# Altium PCB precursor_pvt2b.PcbDoc (part 6 of 7) (continued)
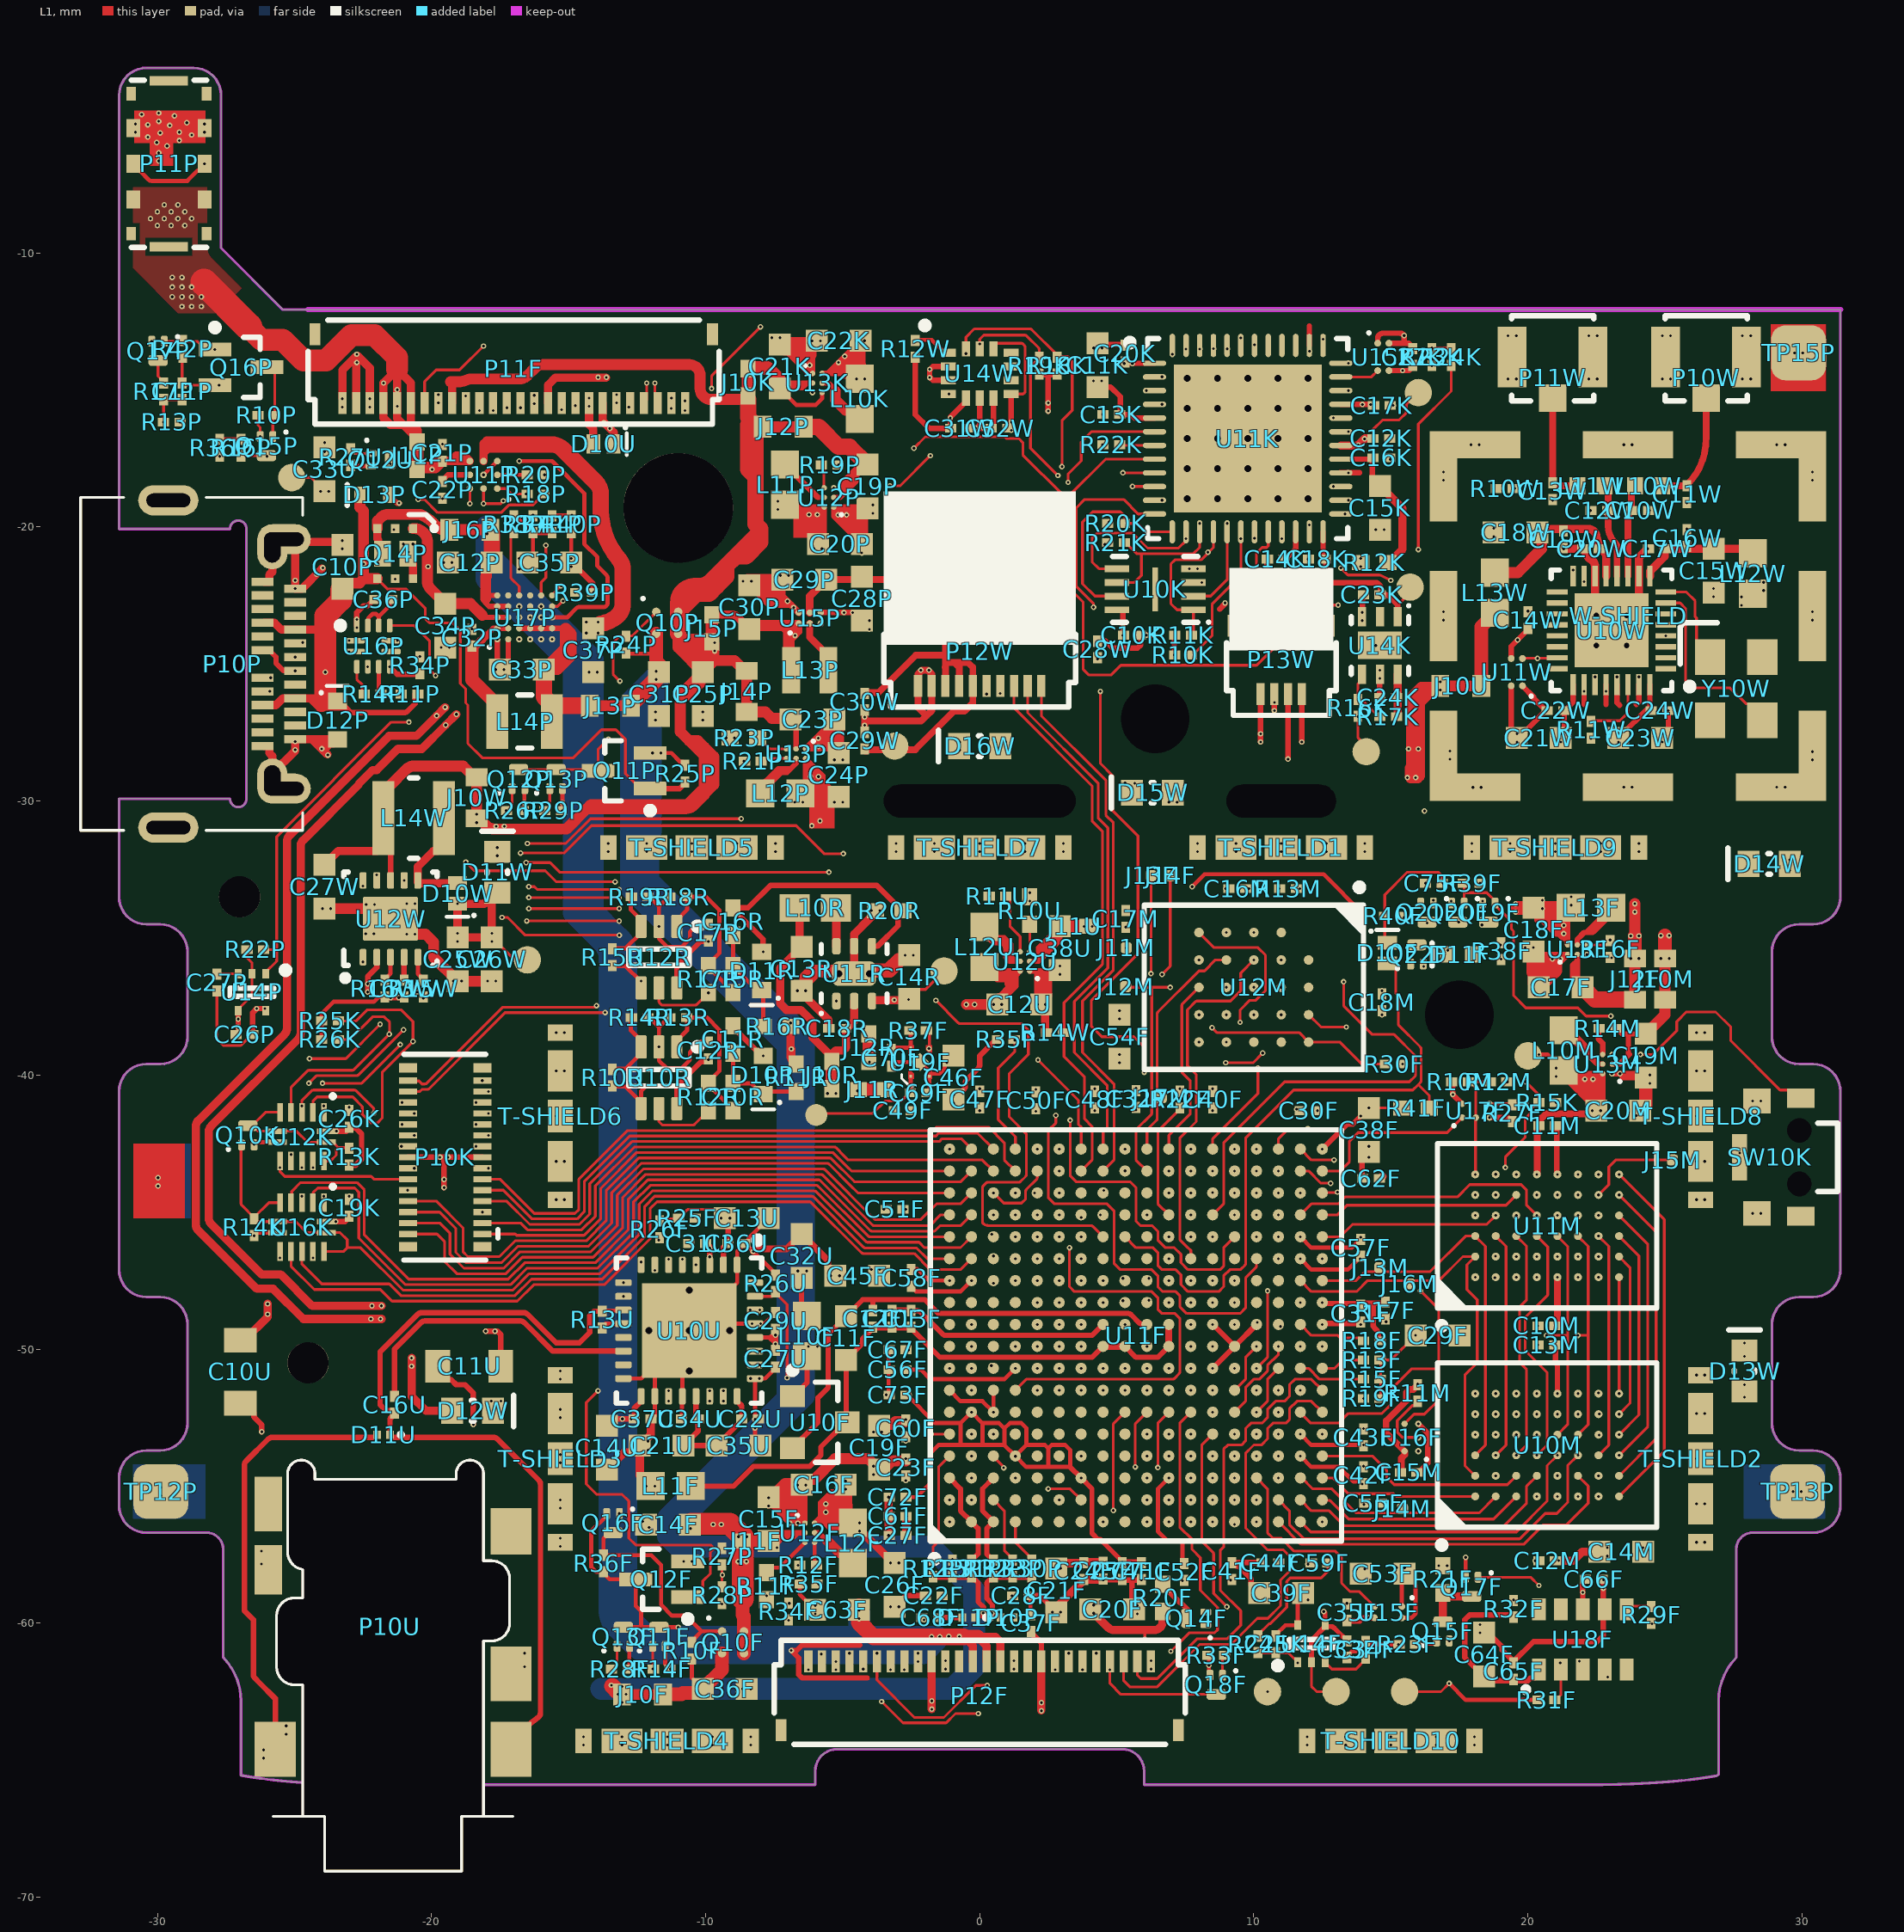
[diagram p0: L1 view]
## Nets (pads, with @x,y where several pads share a name; then routed paths per layer and width w, separated by ;. In a path a pad name is that pad's centre, name@x,y a point inside that pad or via, vN(x,y) a via of type N, cw(c..) or ccw(c..) an arc to the next point about the centre after c; other vN are vias at no path point) (continued)
  L2 w0.1: v1(-20.675,-38.775) -18.125,-38.775 -16.526,-37.176 v1(-16.526,-34.377) ; v1(-13.151,-34.38) -12.368,-34.38 -11.988,-34 -8.216,-34 ccw(c-8.216,-33.9) -8.145,-33.97 -4.6,-30.425 -4.6,-29.075 -1.2,-25.675 -1.2,-20.455 -2.55,-19.105 -2.55,-18.441 cw(c-2.45,-18.441) -2.521,-18.371 -2.075,-17.925 1.451,-17.925 3.876,-15.5 5.454,-15.5 5.479,-15.525 v1(6.65,-15.525)
UP5K_KEYROW1: R26K.1 U11K.2 U12K.4 | length 54.5
  L1 w0.1: U12K.4@-25.125,-41.36 -25.125,-40.491 cw(c-25.025,-40.491) -25.096,-40.421 -24.529,-39.854 cw(c-24.459,-39.925) -24.46,-39.825 ; -24.459,-39.825 -22.898,-39.825 ccw(c-22.898,-39.725) -22.827,-39.795 v1(-21.542,-38.511) -21.525,-38.494 -21.525,-38.075 -21.725,-37.875 -22.15,-37.875 -22.975,-38.7 R26K.1@-23.395,-38.7 ; v1(-16.45,-33.125) -16.25,-33.125 -16.15,-33.225 v1@-13.151,-33.225 ; v1(-3.275,-18.5) -2.9,-18.5 v1(-1.8,-17.4)
  L2 w0.1: v1(-21.542,-38.511) -20.931,-37.9 -19.225,-37.9 -18.325,-37 -18.325,-36.4 -17.179,-35.254 -17.179,-33.854 v1(-16.45,-33.125) ; v1@-13.151,-33.225 -9.4,-33.225 -8.125,-31.95 -8.125,-30.9 -6.45,-29.225 -6.45,-28.788 -6.3,-28.638 -6.3,-27.675 -6.05,-27.425 -5.45,-27.425 -5.375,-27.5 -3.958,-27.5 -2.4,-25.942 -2.4,-20.158 -3.275,-19.283 v1(-3.275,-18.5) ; v1(-1.8,-17.4) 1.411,-17.4 3.711,-15.1 5.275,-15.1 5.85,-14.525 v1(6.65,-14.525)
  other v1: -13.151,-33.23
UP5K_PLL: C15K.1 C16K.1 R12K.1 U11K.29 | length 5.7
  L1 w0.2: U11K.29@13.176,-17.527 14.273,-17.527 14.322,-17.479 14.322,-18.222 C15K.1@14.6,-18.5
  L1 w0.3: C15K.1@14.6,-18.5 15.425,-19.325 15.425,-20.815 14.94,-21.3 R12K.1@14.9,-21.3
UP5K_RES_CT: C27P.1 U14P.3 | length 0.8
  L1 w0.1: C27P.1@-27.825,-36.32 -27.805,-36.3 U14P.3@-27.05,-36.3
UP5K_SCK: P12F.8 R21K.2 U10K.6 U11K.15 | length 89.6
  L1 w0.1: U10K.6@5.005,-22.025 5.65,-22.025 5.899,-21.776 5.899,-20.975 ; R21K.2@5.3,-20.575 5.325,-20.575 5.725,-20.975 5.899,-20.975 ; U11K.15@8.026,-20.177 8.026,-20.749 7.8,-20.975 5.899,-20.975
  L2 w0.1: v1(2.75,-61.7) 4.1,-63.05 9.276,-63.05 9.901,-63.675 23.756,-63.675 25.925,-61.506 25.925,-58.75 26.825,-57.85 26.825,-50.65 26.25,-50.075 26.25,-45.725 26.75,-45.225 26.75,-29.581 25.369,-28.2 19.429,-28.2 19.204,-27.976 cw(c19.275,-27.905) 19.175,-27.905 19.175,-25.58 ccw(c19.075,-25.58) 19.146,-25.509 17.486,-23.85 16.811,-23.85 15.25,-22.289 15.25,-21.375 14.1,-20.225 13.25,-20.225 12.7,-19.675 12.7,-19.136 12.141,-18.577 8.348,-18.577 8.025,-18.9 v1(8.025,-19.875)
USB_DFP_N: R14P.1 U16P.3 | length 1.1
  L1 w0.1: U16P.3@-22.725,-25.1 -22.725,-25.561 -22.53,-25.756 R14P.1@-22.53,-26.1
USB_N: R31P.2 U11F.A3 U11F.B1 | length 3.5
  L1 w0.187: U11F.A3@-1.1,-54.7 -0.7,-55.1 -0.7,-55.9 U11F.B1@-0.3,-56.3 -0.057,-56.543 -0.057,-56.83 -0.057,-57.474 -0.167,-57.583 -0.233,-57.583 -0.3,-57.65 R31P.2@-0.3,-57.675
USB_P: R32P.2 U11F.C1 U11F.C3 | length 3.5
  L1 w0.187: R32P.2@0.5,-57.675 0.5,-57.65 0.433,-57.583 0.367,-57.583 0.257,-57.474 0.257,-56.961 0.257,-56.543 U11F.C1@0.5,-56.3 0.102,-55.901 0.102,-55.099 U11F.C3@0.5,-54.7
USBC_CC1: P10P.A5 U16P.1 | length 1.7
  L2 w0.1: v1(-24.698,-24.216) -23.659,-24.216 -23.593,-24.15 v1(-23,-24.15)
USBC_CC2: P10P.B5 U16P.2 | length 5.1
  L2 w0.1: v1(-25.9,-26) -26.121,-25.779 cw(c-26.05,-25.709) -26.15,-25.709 -26.15,-24.396 -25.954,-24.2 -25.35,-24.2 -25.075,-24.475 -24.091,-24.475 -24.016,-24.55 v1(-23,-24.55)
USBC_N: D11P.2 P10P.A7 P10P.B7 R12P.1 R15P.1 R31P.1 | length 74
  L1 w0.187: P10P.B7@-26.157,-24.5 -25.92,-24.5 -25.675,-24.745 -25.675,-24.975 -25.4,-25.25 v1(-24.97,-25.25) ; R12P.1@-1.7,-58.325 R31P.1@-0.3,-58.325 ; R31P.1@-0.233,-58.417 -0.167,-58.417 -0.057,-58.526 -0.057,-59.221 0.143,-59.421 v1@0.143,-59.628 ; D11P.2@-0.165,-59.8 -0.165,-59.79 -0.118,-59.744 0.033,-59.744 v1@0.137,-59.64
  L2 w0.102: v1(-24.97,-25.25) -24.97,-25.244 -25.098,-25.116 -25.184,-25.116 -25.291,-25.116 -25.4,-25.225 -25.4,-25.75 -23.146,-28.004 -23.146,-32.151 cw(c-23.248,-32.151) -23.176,-32.223 -24.332,-33.38 ccw(c-24.26,-33.452) -24.362,-33.452 -24.362,-36.619 cw(c-24.464,-36.619) -24.392,-36.691 -27.013,-39.312 -27.438,-39.737 -27.438,-51.262 -26.525,-52.175 -18.117,-52.175 cw(c-18.117,-52.277) -18.045,-52.205 -17.28,-52.97 ccw(c-17.208,-52.898) -17.208,-53 -15.108,-53 -14.171,-53.937 -14.171,-62.362 ccw(c-14.068,-62.362) -14.141,-62.434 -13.215,-63.36 ccw(c-13.143,-63.288) -13.143,-63.39 -3.376,-63.39 ccw(c-3.376,-63.288) -3.303,-63.36 -2.04,-62.096 cw(c-1.967,-62.169) -1.968,-62.066 ; -1.967,-62.066 -0.909,-62.066 ccw(c-0.909,-61.964) -0.837,-62.037 0.143,-61.057 ccw(c0.071,-60.985) 0.173,-60.985 0.173,-59.881 0.173,-59.702 0.125,-59.654 v1(0.125,-59.628)
USBC_P: D10P.2 P10P.A6 P10P.B6 R30P.1 R32P.1 R33P.1 | length 73.8
  L1 w0.187: R32P.1@0.433,-58.417 0.367,-58.417 0.257,-58.526 0.257,-59.091 0.457,-59.291 v1@0.457,-59.628 ; v1@0.457,-59.634 0.567,-59.744 0.718,-59.744 0.765,-59.79 D10P.2@0.765,-59.8 ; R32P.1@0.5,-58.325 1.2,-58.325 R30P.1@1.9,-58.325
  L2 w0.102: v1(-25.865,-25.503) -25.85,-25.488 -25.629,-25.488 ; v1(-24.97,-24.75) -24.97,-24.757 -25.1,-24.886 -25.386,-24.886 -25.629,-25.13 -25.629,-25.488 ; -1.873,-62.296 ccw(c-1.872,-62.398) -1.945,-62.326 -3.208,-63.589 cw(c-3.281,-63.517) -3.281,-63.619 -13.238,-63.619 cw(c-13.238,-63.517) -13.31,-63.589 -14.37,-62.529 cw(c-14.298,-62.457) -14.4,-62.457 -14.4,-54.032 -15.203,-53.229 -17.303,-53.229 cw(c-17.303,-53.127) -17.375,-53.199 -18.14,-52.435 ccw(c-18.212,-52.507) -18.212,-52.404 -26.62,-52.404 -27.667,-51.357 -27.667,-39.642 -27.256,-39.231 -24.621,-36.596 ccw(c-24.694,-36.524) -24.591,-36.524 -24.591,-33.357 cw(c-24.489,-33.357) -24.562,-33.285 -23.405,-32.128 ccw(c-23.477,-32.056) -23.375,-32.056 -23.375,-28.099 -25.629,-25.845 -25.629,-25.488 ; -1.872,-62.296 -0.814,-62.296 ccw(c-0.814,-62.193) -0.742,-62.266 0.305,-61.219 0.372,-61.152 ccw(c0.3,-61.08) 0.402,-61.08 0.402,-59.976 0.402,-59.702 0.45,-59.654 v1(0.45,-59.628)
USBDN_PD: R12P.2 U11F.A4 | length 4
  L1 w0.102: R12P.2@-1.7,-57.675 -1.7,-57.2 -1.5,-57 -1.5,-54.3 U11F.A4@-1.1,-53.9
USBDN_PU: R15P.2 U11F.B2 | length 2.5
  L2 w0.102: v1(-1,-57.675) -1,-57 -0.575,-56.575 -0.575,-55.775 v1(-0.3,-55.5)
USBDP_PD: R33P.2 U11F.C2 | length 2.5
  L1 w0.102: U11F.C2@0.5,-55.5 0.9,-55.9 0.9,-57.35 1.2,-57.65 R33P.2@1.2,-57.675
USBDP_PU: R30P.2 U11F.D1 | length 1.6
  L1 w0.102: U11F.D1@1.3,-56.3 1.3,-57.05 1.9,-57.65 R30P.2@1.9,-57.675
V_AES: C69F.2 pad.TP@-5.962,-41.46 U11F.B8 U19F.1 | length 97.2
  L1 w0.1: pad.TP@-5.962,-41.36 -5.921,-41.4 -3.9,-41.4 -3.45,-40.95 -2.875,-40.95 -2.575,-40.65 C69F.2@-2.53,-40.65
  L1 w0.15: C69F.2@-2.53,-40.65 -2.514,-40.634 U19F.1@-2.514,-40.045
  L1 w0.2: -4.375,-60.8 -6.483,-60.8 -6.683,-61 v2(-6.875,-61) -6.6,-61.275 -6.6,-61.883 -6.483,-62 -4.1,-62
  L2 w0.1: v2(-6.875,-61) -6.6,-61.275 -6.3,-61.275 -5.625,-61.95 -4.925,-61.95 -4.7,-61.725 -4.7,-61.425
  L2 w0.15: v1(-2.527,-40.602) v1@-2.518,-40.593 ; v2@-2.518,-40.218 v2(-2.475,-40.175)
  L2 w0.2: v1@-2.518,-40.593 v2@-2.518,-40.218 ; v2(-0.7,-51.1) v1(-0.3,-50.7)
  L7 w0.1: -2.6,-40.75 -2.975,-40.375 -2.975,-40.275 -3.175,-40.075 -3.525,-40.075 -3.846,-39.754 cw(c-3.775,-39.684) -3.875,-39.684 -3.875,-39.141 cw(c-3.775,-39.141) -3.846,-39.071 -3.479,-38.704 cw(c-3.409,-38.775) -3.409,-38.675 -0.816,-38.675 cw(c-0.816,-38.775) -0.746,-38.704 1.525,-40.975 ; v2(-2.475,-40.175) -2.85,-39.8 -3.25,-39.8 -3.5,-39.55 -3.5,-39.175 -3.275,-38.95 -0.991,-38.95 cw(c-0.991,-39.05) -0.92,-38.98 0.176,-40.076 0.45,-40.35 ; 6.975,-43.325 11.675,-48.025 ; 9.15,-45.95 10.15,-46.95 10.15,-47.175 11.075,-48.1
  L7 w0.2: v2(-6.875,-61) -5.975,-61 -5.75,-61.225 -5.75,-61.875 -5.475,-62.15 -4.75,-62.15 -4.275,-61.675 -4.275,-61.1 -5.025,-60.35 -5.025,-58.9 -6.225,-57.7 -6.225,-55.625 -5.85,-55.25 -5.85,-53.125 -3.7,-50.975 -2.45,-50.975 -1.75,-51.675 -1.275,-51.675 v2(-0.7,-51.1) -1.15,-50.65 -1.15,-48.4 -0.2,-47.45 -0.2,-46.725 -1.275,-45.65 -1.275,-43.7 -1.95,-43.025 -1.95,-41.1 -2.3,-40.75 -2.6,-40.75 ; 0.45,-40.35 0.45,-43.025 2.525,-45.1 4.5,-45.1 5.95,-46.55 6.375,-46.55 6.975,-45.95 9.15,-45.95 ; 1.525,-40.975 1.525,-41.85 1.925,-42.25 6.225,-42.25 6.975,-43 6.975,-43.325 ; 11.075,-48.1 11.075,-49.275 10.9,-49.45 10.9,-50.219 10.767,-50.351 10.767,-50.517 10.975,-50.725 11.192,-50.725 11.675,-50.242 11.675,-48.025
  other v1: -6.875,-61
VAVA: C14R.1 pad.TP@-1.3,-36.2 R11R.2 R16R.2 U11R.3 | length 11.3
  L1 w0.1: C14R.1@-2.575,-37.225 -2.225,-36.875 -1.975,-36.875 pad.TP@-1.3,-36.2
  L1 w0.3: v1(-6.9,-38.1) -6.9,-39.36 -6.875,-39.385 v1(-6.875,-39.05) -6.875,-39.425 R11R.2@-6.7,-39.6 ; U11R.3@-3.93,-37.3 -3.93,-37.263 v1(-3.116,-37.263) -2.613,-37.263 v1(-2.594,-37.244) C14R.1@-2.575,-37.225
  L2 w0.3: v1(-6.9,-38.1) -6.9,-38.25 -6.375,-38.775 ; v1(-6.875,-39.05) -6.65,-39.05 -6.375,-38.775 ; v1(-2.594,-37.244) -3.869,-37.244 -5.4,-38.775 -6.375,-38.775
VAVA_FBK: C11R.1 C16R.1 D10R.1 D11R.1 R20R.2 U11R.4 | length 16.3
  L1 w0.2: C11R.1@-9,-38.2 -8.825,-38.375 -8.825,-38.425 -7.95,-39.3 v1(-7.9,-39.3) ; v1(-7.9,-35.5) -7.9,-35.04 -9,-33.94 C16R.1@-9,-33.9 -8.45,-33.9 -7.625,-33.075 -3.765,-33.075 -2.84,-34 R20R.2@-2.8,-34 -2.975,-34.175 -2.975,-34.55 -3.725,-35.3 U11R.4@-3.93,-35.3
  L2 w0.2: v1(-7.9,-39.3) v1(-7.9,-35.5)
VAVA_SW: L10R.2 U11R.6 | length 1.4
  L1 w0.3: L10R.2@-5.25,-33.9 -5.23,-33.92 U11R.6@-5.23,-35.3
VBAT: C37P.1 C66F.1 C70F.2 R37F.2 U11P.C2 U17P.C1 U17P.D1 U17P.E1 U17P.F1 U18F.8 U19F.4 | length 115.2
  L1 w0.15: C70F.2@-3.225,-39.145 -3.225,-39.1 -3.14,-39.015 -3.095,-39.015 -3.085,-39.005 U19F.4@-2.514,-39.005 -2.514,-38.416 R37F.2@-2.555,-38.375
  L1 w0.2: U18F.8@22,-59.5 v1(22,-58.877) 21.998,-58.875 v1(21.998,-58.448) 21.998,-58.458 22,-58.46 22.06,-58.4 C66F.1@22.075,-58.4
  L1 w0.3: U11P.C2@-18.1,-17.6 cw(c-17.803,-17.558) -18.103,-17.558 -18.103,-17.315 ; -17.989,-16.845 -18.103,-16.959 -18.103,-17.315 ; -17.903,-16.991 -18.015,-17.103 ccw(c-17.803,-17.315) -18.103,-17.315 ; -17.5,-16.991 -17.779,-16.991 -18.103,-17.315
  L1 w0.6: -17.903,-16.991 -17.779,-16.991 -15.633,-16.991 cw(c-15.633,-17.591) -15.208,-17.167 -14.001,-18.374 cw(c-14.425,-18.799) -13.825,-18.799 -13.825,-19.389 -13.825,-19.391 ccw(c-11.094,-19.391) -13.169,-21.167 cw(c-13.625,-21.557) -13.025,-21.559 -13.025,-22.81 cw(c-13.625,-22.812) -13.241,-23.273 cw(c-13.979,-22.388) C37P.1@-13.828,-23.53 ; C37P.1@-14.1,-23.7 C37P.1@-14.049,-23.7
  L2 w0.2: v2(-4.625,-31.4) -4.9,-31.4 -5.475,-31.975 -5.475,-32.075 -5.925,-32.525 -5.925,-33.3 -2.825,-36.4 -1.75,-36.4 -1.075,-37.075 -1.075,-37.475 -1.525,-37.925 -2.064,-37.925 v1(-2.535,-38.395)
  L2 w0.3: v2(12.375,-24.3) 12.925,-24.85 15.125,-24.85 17.7,-27.425 17.7,-28.775 17.575,-28.9 17.575,-29.8 18.2,-30.425 22.775,-30.425 23.35,-31 23.35,-32.375 24.46,-33.485 24.46,-39.266 cw(c24.16,-39.266) 24.372,-39.478 23.925,-39.925 23.925,-40.45 24.625,-41.15 24.625,-54.775 cw(c24.325,-54.775) 24.537,-54.988 21.998,-57.527 v1(21.998,-58.448) 21.998,-58.875 v1(22,-58.877)
  L2 w0.5: v1(-16.8,-24.1) v1(-16.4,-24.1) v1(-16,-24.1) v1(-15.6,-24.1) -14.875,-24.1 -14.45,-23.675 v2@-13.95,-23.675
  L7 w0.2: v2(-4.625,-31.4) -4.625,-29.5 -3.625,-28.5 -0.2,-28.5 0.05,-28.25 0.05,-26 -2.063,-23.887
  L7 w0.3: v2(-14.15,-23.65) -12.524,-23.65 cw(c-12.524,-23.95) -12.311,-23.739 -10.863,-25.187 ccw(c-10.651,-24.975) -10.651,-25.275 -3.574,-25.275 ccw(c-3.574,-24.975) -3.362,-25.187 -2.063,-23.887 -1.438,-23.263 cw(c-1.226,-23.475) -1.226,-23.175 8.575,-23.175 9.7,-24.3 v2(12.375,-24.3)
  other v1: -14.35,-23.875 -13.925,-23.875 -14.35,-23.475 -13.925,-23.475
VBL: C25W.1 C26W.1 D10W.2 D11W.1 P13W.1 P13W.2 pad.TP@-16.5,-35.8 U12W.7 | length 45.9
  L1 w0.1: v2(-17.8,-34.975) -17.07,-35.705 -16.595,-35.705 pad.TP@-16.5,-35.8
  L1 w0.2: v1(10.25,-27.85) v1(10.25,-27.55) P13W.1@10.25,-26.1 ; v1(10.75,-26.702) P13W.2@10.75,-26.425
  L1 w0.3: v2(-19.05,-34.975) v2(-17.8,-34.975) v1(-17.8,-34.825) -17.8,-33.55 D11W.1@-17.6,-33.35 -17.675,-33.35 -18.075,-33.75 v1(-19.05,-33.75) v1(-19.05,-34.825) v2(-19.05,-34.975)
  L2 w0.15: v1(-20.996,-32.9) -19.9,-32.9 v1(-19.05,-33.75)
  L7 w0.3: v2(-19.05,-34.975) -16.174,-34.975 ccw(c-16.174,-34.675) -15.962,-34.887 -13.563,-32.488 cw(c-13.351,-32.7) -13.351,-32.4 -4.85,-32.4 -3.575,-31.125 3.75,-31.125 4.475,-30.4 4.475,-29.625 5.15,-28.95 7.8,-28.95 9.05,-27.7 v2(10.25,-27.7) 10.25,-27.053 v2@10.755,-26.549
  other v1: -19.05,-35.125 -17.8,-35.125 10.75,-26.402
  other v2: 10.75,-26.552
VBUS: C10P.1 D12P.2 D13P.2 P10P.A4 P10P.A9 P10P.B4 P10P.B9 Q11P.1 Q12F.1 Q14P.4 Q15P.2 R10P.2 R11P.1 R25P.1 R27P.2 | length 95.3
  L1 w0.1: R10P.2@-26.33,-15.925 -26.33,-16.287 -26.25,-16.367 v1(-26.25,-16.7) ; Q14P.4@-21.975,-21.888 -21.975,-21.9 -21.6,-22.275 -20.925,-22.275 -20.225,-22.975 -20.225,-23.35 -20.075,-23.5 -19.225,-23.5 -18.95,-23.775 -18.95,-25.716 -18.752,-25.913 -18.752,-26.423 -18.675,-26.5 -18.675,-27.9 -18.15,-28.425 -14.825,-28.425 -13.8,-27.4 -13.275,-27.4 -12.925,-27.75 -12.925,-29 -12.375,-29.55 Q11P.1@-12.025,-29.55 ; v2(-13.925,-51.525) -14.35,-51.95 -14.35,-54.925 -13.975,-55.3 -13.05,-55.3 -12.8,-55.55 -12.8,-56.9 -12.55,-57.15 -9.815,-57.15 -9.695,-57.27 ; Q12F.1@-10.65,-59.05 -10.3,-59.05 -10.1,-58.85 -10.1,-58.462 -9.825,-58.187 -9.825,-57.4 -9.695,-57.27 ; R27P.2@-9.4,-57.27 -9.695,-57.27
  L1 w0.2: -23.975,-26.6 D12P.2@-23.175,-26.6 ; D12P.2@-23.425,-26.35 -23.375,-26.35 -23.021,-26.704 -23.009,-26.716 ccw(c-22.867,-26.575) -22.867,-26.775 -21.008,-26.775 ccw(c-21.008,-26.575) -20.867,-26.717 -20.6,-26.45 R11P.1@-20.6,-26.1 ; Q11P.1@-12.025,-29.55 -10.95,-29.55 -10.75,-29.35 R25P.1@-10.75,-29.325
  L1 w0.3: P10P.B4@-26.1,-26.5 -25.675,-26.5 -25.425,-26.25 P10P.A9@-24.97,-26.25 -24.422,-26.25 ; P10P.B9@-26.1,-23.5 -25.725,-23.5 -25.475,-23.75 P10P.A4@-24.97,-23.75 -23.9,-23.75 -23.875,-23.775 ; -23.975,-26.6 -24.073,-26.6 -24.422,-26.25 ; -23.875,-26.25 -24.422,-26.25
  L1 w0.4: C10P.1@-23.3,-22.3 C10P.1@-23.25,-22.25 -23.05,-22.05 -22.625,-22.05 -22.463,-21.888 ; D13P.2@-22.612,-19.011 -22.612,-19.288 -22.475,-19.425 v1(-22.475,-21.35) -22.475,-21.875 -22.463,-21.888 ; Q14P.4@-21.975,-21.888 -22.463,-21.888
  L1 w0.8: -23.875,-26.25 -23.875,-23.775 -23.875,-23.25 -23.3,-22.675 C10P.1@-23.3,-22.3
  L2 w0.1: v1(-26.25,-16.7) -26.425,-16.875 -26.425,-17.425 -26.15,-17.7 -25.725,-17.7 -23.31,-20.115 -23.01,-20.115 -22.475,-20.65 v1(-22.475,-21.35)
  L7 w0.2: v2(-23.875,-25.3) -23.875,-26.75 -23.025,-27.6 -23.025,-29.725 -25.65,-32.35 -25.65,-40.625 -22.025,-44.25 -22.025,-50.425 -19.425,-53.025 -14.725,-53.025 -13.925,-52.225 v2(-13.925,-51.525)
  other v1: -13.925,-51.525 -23.875,-25.3
VBUS_DIV: R27P.1 R28P.1 U11F.C4 | length 13.4
  L1 w0.1: R28P.1@-9.4,-58.65 R27P.1@-9.4,-57.9 ; U11F.C4@0.5,-53.9 0.5,-53.925 0.875,-54.3 v1(0.875,-54.332)
  L2 w0.1: v1(-9.39,-58.242) -9.198,-58.434 ccw(c-9.127,-58.363) -9.127,-58.463 -6.688,-58.463 -5.601,-57.376 -4.651,-57.376 -1.754,-54.479 cw(c-1.684,-54.55) -1.684,-54.45 0.709,-54.45 ccw(c0.709,-54.35) 0.779,-54.421 0.868,-54.332 v1(0.875,-54.332)
VBUS_SWITCHED: C12P.1 C63F.1 J16P.1 P12F.12 P12F.13 P12F.14 Q14P.3 Q14P.EP2 R36P.2 U17P.A4 U17P.A5 U17P.B4 | length 138.6
  L1 w0.2: U17P.A5@-17.6,-22.5 -17.908,-22.5 -18.025,-22.617 -18.025,-22.775 -17.9,-22.9 U17P.A4@-17.6,-22.9 U17P.B4@-17.2,-22.9
  L1 w0.3: Q14P.3@-21.975,-20.062 -21.975,-20.435 -21.948,-20.462 -21.948,-20.818 Q14P.EP2@-21.791,-20.975 ; -0.575,-60.5 -0.25,-60.825 P12F.14@-0.25,-61.4 ; P12F.13@0.25,-61.4 0.25,-60.825 -0.075,-60.5 0.574,-60.5 0.75,-60.676 P12F.12@0.75,-61.4
  L1 w0.4: Q14P.3@-21.975,-20.062 -21.975,-19.784 -21.847,-19.657 cw(c-21.565,-19.94) -21.565,-19.54 -20.506,-19.54 cw(c-20.506,-19.94) -20.301,-19.596 -20.147,-19.686 cw(c-20.603,-20.462) -19.966,-19.827 -19.914,-19.879 cw(c-20.267,-20.233) -19.912,-19.881 -19.81,-19.983 ccw(c-19.527,-19.7) -19.527,-20.1 J16P.1@-19.35,-20.1 ; -18.025,-22.617 -18.025,-21.825 -18,-21.8 -18,-21.5 C12P.1@-17.8,-21.3
  L1 w0.5: -0.575,-60.5 -0.075,-60.5
  L1 w0.6: J16P.1@-17.85,-20.1 -17.85,-20.175 -17.8,-20.225 C12P.1@-17.8,-21.3 ; C63F.1@-4.4,-59.4 v1(-4.4,-59.538) v1(-4.4,-59.838) -4.4,-59.975 -3.875,-60.5 v1(-1.756,-60.5) v1(-1.456,-60.5) -0.575,-60.5
  L2 w0.1: v1(-27.725,-17.425) -27.175,-17.975 -25.802,-17.975 -23.75,-20.027 -23.75,-20.75 -22.85,-21.65 -22.275,-21.65 v1(-21.95,-21.325)
  L2 w0.3: v1(-1.456,-60.5) v1@-0.8,-60.5
  L7 w0.3: v2(-4.4,-59.688) -3.587,-60.5 v3(-2.446,-60.5) ; v3@-2.4,-60.5 v2(-1.606,-60.5)
  L7 w0.6: v2@-17.975,-20.94 v2(-17.8,-21.115) -17.8,-20.275 v2(-17.975,-20.1) v1(-17.975,-20.25) v2@-17.975,-20.94
  L8 w0.8: v3@-17.997,-19.987 -17.997,-20.953 ; -14.225,-33.925 -13.134,-35.016 cw(c-13.7,-35.581) -12.9,-35.581 -12.9,-59.369 ccw(c-12.1,-59.369) -12.666,-59.934 -12.334,-60.266 ccw(c-11.769,-59.7) -11.769,-60.5 ; -14.125,-33.925 -14.125,-24.825 -17.997,-20.953 ; -11.669,-60.5 -4.396,-60.5 ; -4.4,-59.6 -4.396,-59.604 -4.396,-60.5 ; v3(-1.604,-60.647) -2.057,-61.1 -11.969,-61.1 cw(c-11.969,-60.3) -12.534,-60.866 -13.266,-60.134 cw(c-12.7,-59.569) -13.5,-59.569 -13.5,-35.731 ccw(c-14.3,-35.731) -13.734,-35.166 -14.8,-34.1 -14.8,-25.1 -17.997,-21.903 -17.997,-20.953 ; -1.55,-60.5 -4.396,-60.5
  other v1: -1.128,-60.487 -0.745,-60.49 -17.95,-21.115 -17.65,-21.115 -17.975,-19.95
  other v3: -2.093,-60.506 -3.646,-60.45 -1.604,-60.347 -3.892,-60.196 -4.577,-59.681 -4.223,-59.687 -17.95,-21.115 -17.65,-21.115 -18.117,-20.647 -17.763,-20.653 -17.975,-20.25 -17.975,-19.95
VIBE_DRIVE: D10U.1 P11F.19 Q12U.3 | length 11.1
  L1 w0.3: P11F.19@-14.25,-15.475 v1(-14.25,-15.597) -14.25,-16.265 -14.1,-16.415 D10U.1@-14.1,-16.975
  L2 w0.3: v1(-21.5,-17.7) v1(-21.5,-17.4) -21.5,-16.936 -20.764,-16.2 -18.45,-16.2 -16.025,-16.2 -15.775,-15.95 -15.775,-15.525 -15.2,-14.95 -14.624,-14.95 cw(c-14.624,-15.25) -14.412,-15.038 -14.25,-15.2 v1(-14.25,-15.297) v1(-14.25,-15.597)
VIBE_ON: Q12U.1 R27U.2 U11F.G13 | length 59.9
  L1 w0.1: R27U.2@-22.95,-17.125 R27U.2@-22.95,-17.145 -22.95,-17.15 -22.78,-17.32 Q12U.1@-22.2,-17.32
  L1 w0.2: Q12U.1@-22.2,-17.32 v2(-22.195,-17.325)
  L2 w0.1: v2(-1.8,-18.675) -0.8,-19.675 -0.8,-25.9 -4.125,-29.225 -4.125,-32.068 -3.168,-33.025 -1.75,-33.025 0.556,-35.331 0.781,-35.331 3.55,-38.1 3.55,-41.875 3.65,-41.975 3.65,-42.85 4.05,-43.25 4.05,-44.095 4.53,-44.575 4.716,-44.575 4.87,-44.729 4.87,-45.488 cw(c4.77,-45.489) 4.84,-45.56 v1(3.7,-46.7)
  L7 w0.1: v2(-22.195,-17.325) -20.025,-17.325 -19.85,-17.5 -14.075,-17.5 -12.025,-15.45 -2.85,-15.45 -1.8,-16.5 v2(-1.8,-18.675)
  other v1: -22.195,-17.325
VSYS_RAW: C19M.1 C31P.1 C33P.1 C36F.1 J10F.1 J10M.1 J13P.1 L14P.2 Q10F.4 Q10P.4 R10F.2 R14M.1 R24P.2 U13M.B1 U17P.C2 U17P.D2 U17P.E2 U17P.F2 | length 210.3
  L1 w0.15: R24P.2@-12.9,-24.625 -11.879,-24.625 -11.8,-24.546 ; R10F.2@-10.5,-61.325 -10.5,-62 C36F.1@-10.1,-62.4
  L1 w0.2: U17P.C2@-16.8,-23.7 U17P.D2@-16.4,-23.7 U17P.E2@-16,-23.7 U17P.F2@-15.6,-23.7 -15.124,-23.7 ; U13M.B1@23.075,-39.6 23.35,-39.6 23.7,-39.25 23.663,-39.212 23.663,-38.5 ; R14M.1@23.225,-38.3 23.25,-38.3 23.45,-38.5 23.663,-38.5 ; C19M.1@24.3,-38.5 23.663,-38.5
  L1 w0.4: L14P.2@-15.6,-27.1 -15.6,-26.625 L14P.2@-15.6,-26.5 ; C19M.1@24.3,-38.5 25,-37.8 J10M.1@25,-37.25 ; C33P.1@-15.9,-25.2 -15.4,-25.2 -14.9,-24.7 -14.9,-23.9 -15.1,-23.7 -15.124,-23.7 -15.124,-24.424 C33P.1@-15.9,-25.2
  L1 w0.5: Q10P.4@-11.8,-23.9 -11.8,-24.546 -11.8,-24.9 C31P.1@-11.55,-25.15 ; J10F.1@-11.55,-62.6 -10.875,-62.6 -10.825,-62.55 -10.25,-62.55 C36F.1@-10.1,-62.4 -9.4,-61.7 Q10F.4@-9.4,-61.1 ; v2(25,-35.75) v2(25,-34.911)
  L1 w0.6: C33P.1@-15.9,-25.2 -15.9,-26.2 L14P.2@-15.6,-26.5 ; L14P.2@-15.6,-26.625 -15.5,-26.525 J13P.1@-14.225,-26.525 ; v1@-13.4,-62.3 -13.2,-62.5 -13.075,-62.5 -13.05,-62.525 v2(-13.05,-62.6) ; J13P.1@-12.725,-26.525 cw(c-12.182,-26.781) -12.607,-26.357 -11.866,-25.616 ccw(c-12.29,-25.192) C31P.1@-11.7,-25.301
  L2 w0.4: v1(-13.437,-62.267) v1@-13.383,-62.267 ; v2(-13.05,-62.6) v1@-13.383,-62.267 ; v1(-12.9,-62.6) -13.233,-62.267 v1@-13.383,-62.267
  L2 w0.6: v2(-13.05,-62.6) v1(-12.9,-62.6) -12.3,-62.6 v2(-12.1,-62.8)
  L7 w0.5: v3(-6.419,-39.745) v3(-6.419,-39.445) -6.419,-39.126 cw(c-4.652,-39.126) -5.9,-37.875 -5.146,-37.121 cw(c-4.793,-37.475) -4.793,-36.975 -3.007,-36.975 ccw(c-3.007,-36.475) -2.654,-36.829 0.05,-34.125 2.175,-34.125 2.925,-33.375 7,-33.375 7.6,-33.975 12.668,-33.975 ccw(c12.668,-33.475) 13.021,-33.829 13.804,-33.046 cw(c14.157,-33.4) 14.157,-32.9 24.193,-32.9 cw(c24.193,-33.4) 24.547,-33.047 24.853,-33.353 cw(c24.5,-33.707) 25,-33.707 v2(25,-34.911) v2(25,-35.75)
  L7 w0.6: v2(-12.1,-62.8) -12.3,-62.6 v2(-13.05,-62.6) v2@-13.15,-62.5 ; -6.425,-43.9 -6.425,-45.45 ; v3@-6.425,-39.45 v3(-6.425,-40.15) v3(-6.425,-40.45) -6.425,-45.45 ; -13.6,-61.1 -13.2,-60.7 -13.2,-59.7 -11.495,-57.995 -11.495,-57.445 ; -13.6,-61.1 -13.6,-59.55 -11.495,-57.445 ; -13.6,-61.1 -13.6,-62.05 v2@-13.15,-62.5 ; v2@-13.15,-62.5 v3(-13.315,-62.5) v3(-13.749,-62.5) -14.1,-62.149 -14.1,-59.3 -12.275,-57.475 -12.15,-57.475 -12.12,-57.445 ; -12.12,-57.445 -10.725,-56.05 ; -12.12,-57.445 -11.495,-57.445 ; -11.495,-57.445 v3(-11,-56.95) ccw(c-11.325,-56.446) -10.725,-56.444 -10.725,-56.05 ; -10.725,-56.05 v3(-10.426,-55.751) -9.85,-55.175 -9.85,-48.675 -8.675,-47.5 -8.475,-47.5 -6.425,-45.45
  L7 w0.8: v2(-12.731,-26.404) -11.801,-25.474 v2(-11.801,-25.417)
  L8 w0.8: -13.8,-62.4 -1,-62.4 -0.2,-61.6 -0.2,-58.8 -1.8,-57.2 -11,-57.2 ; -11,-57.2 -11,-56.3 -9.2,-54.5 ; -11,-57.2 -11.373,-56.827 -11.373,-56.164 -9.2,-53.991 ; -9.2,-54.5 -9.2,-53.991 ; -9.2,-54.5 -7.009,-52.309 ; -9.2,-53.991 -7.009,-51.8 ; -7.009,-52.309 -7.009,-51.8 ; -7.009,-52.309 -6.422,-51.722 v3@-6.422,-39.496 ; -7.009,-51.8 -7.009,-38.909 ; -7.009,-38.909 v3@-6.422,-39.496 ; -7.009,-38.909 -12.725,-33.193 -12.725,-26.375 -11.753,-25.403 -11.753,-26.453 -12,-26.7 -12,-31.1 -12.1,-31.2 -12.1,-32.9 -6.422,-38.578 v3@-6.422,-39.496
  other v1: -13.052,-62.889 -13.2,-62.6 -13.044,-62.31 24.85,-35.75 25.15,-35.75 24.85,-34.911 25.15,-34.911 -12.731,-26.554 -12.731,-26.254 -11.801,-25.567 -11.801,-25.267
  other v3: -12.8,-62.5 -12.4,-62.5 -11.201,-57.312 -11.5,-56.725 -10.725,-56.338 -10.2,-55.3 -6.425,-41.6 -12.88,-26.403 -12.58,-26.403 -12.082,-26.09 -12.328,-25.836 -11.95,-25.424 -11.65,-25.424
VSYS_T: C13R.1 C14F.1 C15F.1 C17F.1 C18R.2 C21U.1 C22U.1 C34U.1 C35U.1 C38U.1 J10R.1 J11F.1 J11U.1 J12F.1 L10R.1 Q10F.2 Q10F.3 R12F.2 U10U.21 U10U.24 U11R.2 U12F.B1 U12U.B1 U13F.B1 | length 41.5
  L1 w0.2: U10U.21@-10.35,-51.725 -10.35,-52.49 -10.29,-52.55 C34U.1@-10.27,-52.55 -10.27,-52.995 C21U.1@-10.8,-53.525 C35U.1@-9.6,-53.525 -8.785,-52.71 -8.785,-52.61 -8.725,-52.55 C22U.1@-8.68,-52.55 -8.68,-52.07 -8.85,-51.9 U10U.24@-8.85,-51.725 ; J11F.1@-7.7,-57.175 -7.689,-57.164 cw(c-7.547,-57.305) -7.547,-57.105 -7.505,-57.105 ccw(c-7.505,-56.905) -7.363,-57.046 -7.226,-56.909 cw(c-7.084,-57.05) -7.085,-56.85 ; C15F.1@-7.7,-57 -7.4,-56.7 -7.225,-56.7 ; J11F.1@-7.5,-56.975 -7.225,-56.7 ; -7.084,-56.85 -6.783,-56.85 -6.633,-56.7 ; U12F.B1@-6.375,-56.7 -6.633,-56.7 ; U12U.B1@1.825,-35.85 2.15,-35.85 ; 2.287,-35.404 2.606,-35.084 2.714,-35.084 ; 2.652,-35.022 J11U.1@2.652,-34.848 ; C38U.1@2.793,-34.949 2.793,-35.005 2.714,-35.084 ; U13F.B1@21.8,-35.6 21.8,-35.825 ; C17F.1@22,-36.8 C17F.1@21.8,-36.6 ; -7.225,-56.7 -6.633,-56.7 ; 2.15,-35.85 2.15,-35.648 ; 2.15,-35.85 2.925,-35.075 C38U.1@2.925,-34.575 J11U.1@2.652,-34.848 ; 2.15,-35.648 2.714,-35.084 ; 2.15,-35.648 2.15,-35.35 J11U.1@2.652,-34.848 ; C17F.1@21.8,-36.6 21.625,-36.425 21.625,-36 21.8,-35.825 ; C17F.1@21.8,-36.6 21.8,-35.825
  L1 w0.3: J11F.1@-7.91,-56.79 C15F.1@-7.7,-57 ; L10R.1@-6.75,-33.9 -6.575,-34.075 C13R.1@-6.575,-35.325 ; C13R.1@-6.5,-35.325 -7.275,-36.1 -7.275,-37.4 -7.149,-37.526 -7.05,-37.625 -6.525,-37.625 -6.1,-38.05 -6.1,-38.625 -5.475,-39.25 -5.4,-39.25 -5.249,-39.099 -4.974,-39.099 -4.875,-39 -4.875,-38.3 -4.85,-38.3 -4.58,-38.03 U11R.2@-4.58,-37.3
  L1 w0.4: v2(23.9,-34.925) v1(23.9,-34.05) v1(23.9,-33.75)
  L1 w0.5: -8.65,-59.125 -8.65,-59.7 -8.6,-59.75 Q10F.2@-8.6,-60.3 Q10F.3@-8.6,-61.1 ; v2(23.9,-35.75) v2(23.9,-34.925)
  L1 w0.6: C17F.1@22,-36.8 22.45,-37.25 J12F.1@23.9,-37.25
  L1 w0.8: C14F.1@-10.525,-56.375 -9.119,-56.375 v2(-8.65,-56.844) -8.65,-59.125
  L2 w0.15: v1(-7.4,-57.25) -6.765,-57.885 v1(-6.624,-57.885)
  L2 w0.3: v1(-10.95,-53.75) v1(-10.65,-53.75) ; v1(-10.55,-56.55) -10.55,-56.25 -10.55,-53.85 v1(-10.65,-53.75) ; v1(-9.475,-53.75) v1(-9.775,-53.75) v1(-10.65,-53.75)
  L7 w0.5: v2(3.95,-34.575) v2@3.975,-34.575
  other v1: -8.812,-57.751 -8.512,-57.751 -8.8,-56.844 -8.5,-56.844 -9.725,-56.4 -9.425,-56.4 -10.55,-56.135 -5.55,-40.675 -5.25,-40.675 23.75,-35.75 24.05,-35.75 23.75,-34.925 24.05,-34.925 3.8,-34.575 4.1,-34.575
  other v2: -8.662,-57.751 -9.575,-56.4 -5.4,-40.675 23.9,-33.9